# Altium PCB PCB1.PcbDoc (part 3 of 15)
Units mm, origin at the board's own origin, x right, y up, seen from the top; angles counter-clockwise.
Board outline 77.21 x 58.7 mm, 2 copper layers (Top Layer, Bottom Layer); 194 components, 134 nets, 25878 pads, 596 vias.
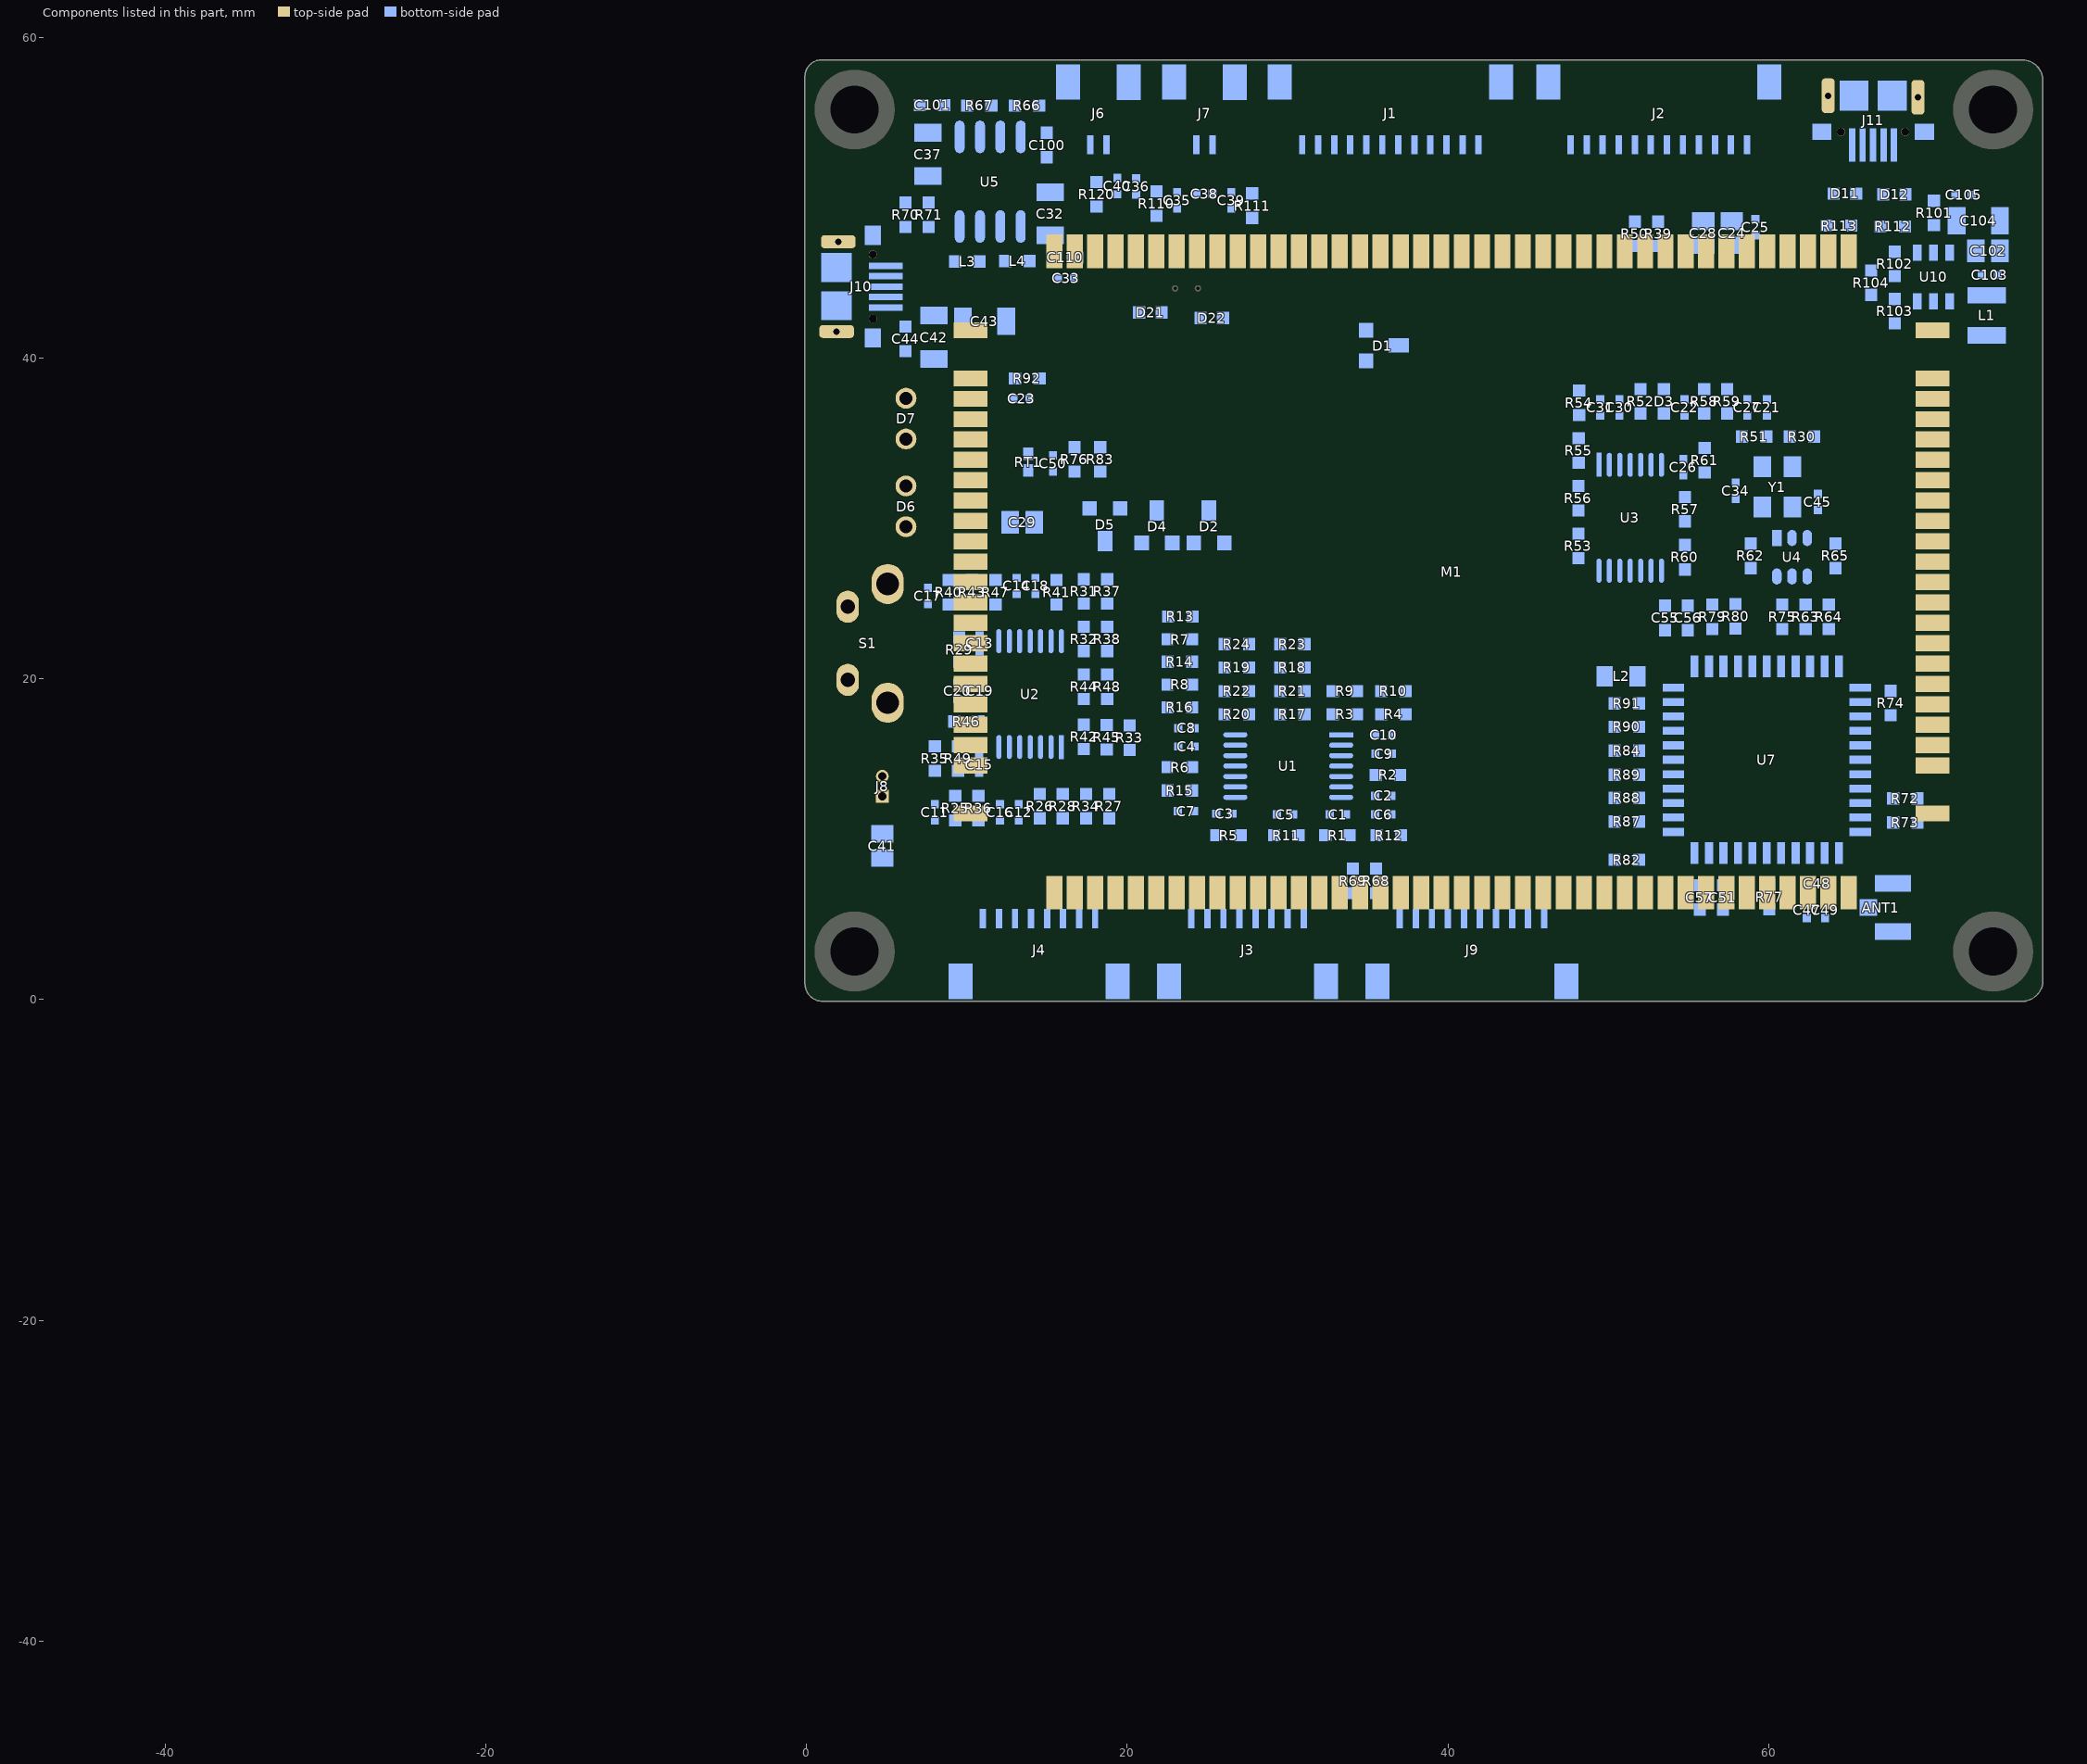
[diagram p3: the components of this part, seen from the top]

## Free pads (board coordinates) (continued)
  round 0 on Mech8: 1(-45.269,-44) 1(-45.269,-44) 1(-45.269,-44) 1(-45.269,-44) 1(-45.269,-44) 1(-45.269,-44) 1(-45.269,-44.015) 1(-45.269,-44.015) 1(-45.269,-44.015) 1(-45.269,-44.015) 1(-45.269,-44.015) 1(-45.269,-44.015) 1(-45.269,-44.014) 1(-45.269,-44.014) 1(-45.269,-44.014) 1(-45.269,-44.014) 1(-45.269,-44.014) 1(-45.269,-44.014) 1(-45.269,-44.014) 1(-45.269,-44.014) 1(-45.269,-44.014) 1(-45.269,-44.014) 1(-45.269,-44.014) 1(-45.269,-44.014) 1(-45.269,-44.013) 1(-45.269,-44.013) 1(-45.269,-44.013) 1(-45.269,-44.013) 1(-45.269,-44.013) 1(-45.269,-44.013) 1(-45.269,-44.013) 1(-45.269,-44.013) 1(-45.269,-44.013) 1(-45.269,-44.013) 1(-45.269,-44.013) 1(-45.269,-44.013) 1(-45.269,-43.997) 1(-45.269,-43.997) 1(-45.269,-43.997) 1(-45.268,-43.997) 1(-45.268,-43.997) 1(-45.268,-43.997) 1(-45.268,-44.008) 1(-45.268,-44.008) 1(-45.268,-44.008) 1(-45.268,-44.008) 1(-45.268,-44.008) 1(-45.268,-44.008) 1(-45.268,-44.007) 1(-45.268,-44.007) 1(-45.268,-44.007) 1(-45.268,-44.007) 1(-45.268,-44.007) 1(-45.268,-44.007) 1(-45.268,-44.006) 1(-45.268,-44.006) 1(-45.268,-44.006) 1(-45.268,-44.006) 1(-45.268,-44.006) 1(-45.268,-44.006) 1(-45.268,-44.005) 1(-45.268,-44.005) 1(-45.268,-44.005) 1(-45.268,-44.005) 1(-45.268,-44.005) 1(-45.268,-44.005) 1(-45.268,-44.005) 1(-45.268,-44.005) 1(-45.268,-44.005) 1(-45.268,-44.005) 1(-45.268,-44.005) 1(-45.268,-44.005) 1(-45.268,-44.004) 1(-45.268,-44.004) 1(-45.268,-44.004) 1(-45.268,-44.004) 1(-45.268,-44.004) 1(-45.268,-44.004) 1(-45.268,-44.003) 1(-45.268,-44.003) 1(-45.268,-44.003) 1(-45.268,-44.003) 1(-45.268,-44.003) 1(-45.268,-44.003) 1(-45.268,-44.002) 1(-45.268,-44.002) 1(-45.268,-44.002) 1(-45.268,-44.002) 1(-45.268,-44.002) 1(-45.268,-44.002) 1(-45.268,-43.967) 1(-45.268,-43.967) 1(-45.268,-43.967) 1(-45.268,-43.975) 1(-45.268,-43.975) 1(-45.268,-43.975) 1(-45.268,-43.975) 1(-45.268,-43.975) 1(-45.268,-43.975) 1(-45.268,-43.975) 1(-45.268,-43.975) 1(-45.268,-43.975) 1(-45.268,-43.975) 1(-45.268,-43.975) 1(-45.268,-43.975) 1(-45.268,-43.974) 1(-45.268,-43.974) 1(-45.268,-43.974) 1(-45.268,-43.974) 1(-45.268,-43.974) 1(-45.268,-43.974) 1(-45.268,-43.971) 1(-45.268,-43.971) 1(-45.268,-43.971) 1(-45.268,-44.015) 1(-45.268,-44.015) 1(-45.268,-44.015) 1(-45.268,-44.014) 1(-45.268,-44.014) 1(-45.268,-44.014) 1(-45.268,-43.994) 1(-45.268,-43.994) 1(-45.268,-43.994) 1(-45.267,-43.976) 1(-45.267,-43.976) 1(-45.267,-43.976) 1(-45.267,-43.976) 1(-45.267,-43.976) 1(-45.267,-43.976) 1(-45.267,-44.008) 1(-45.267,-44.008) 1(-45.267,-44.008) 1(-45.267,-44.007) 1(-45.267,-44.007) 1(-45.267,-44.007) 1(-45.267,-44.006) 1(-45.267,-44.006) 1(-45.267,-44.006) 1(-45.267,-44.005) 1(-45.267,-44.005) 1(-45.267,-44.005) 1(-45.267,-44.005) 1(-45.267,-44.005) 1(-45.267,-44.005) 1(-45.267,-44.004) 1(-45.267,-44.004) 1(-45.267,-44.004) 1(-45.267,-44.003) 1(-45.267,-44.003) 1(-45.267,-44.003) 1(-45.267,-44.002) 1(-45.267,-44.002) 1(-45.267,-44.002) 1(-45.267,-43.983) 1(-45.267,-43.983) 1(-45.267,-43.983) 1(-45.267,-43.983) 1(-45.267,-43.983) 1(-45.267,-43.983) 1(-45.267,-43.983) 1(-45.267,-43.983) 1(-45.267,-43.983) 1(-45.267,-43.982) 1(-45.267,-43.982) 1(-45.267,-43.982) 1(-45.267,-43.982) 1(-45.267,-43.982) 1(-45.267,-43.982) 1(-45.267,-43.982) 1(-45.267,-43.982) 1(-45.267,-43.982) 1(-45.267,-43.995) 1(-45.267,-43.995) 1(-45.267,-43.995) 1(-45.267,-43.994) 1(-45.267,-43.994) 1(-45.267,-43.994) 1(-45.267,-43.994) 1(-45.267,-43.994) 1(-45.267,-43.994) 1(-45.267,-43.976) 1(-45.267,-43.976) 1(-45.267,-43.976) 1(-45.267,-43.976) 1(-45.267,-43.976) 1(-45.267,-43.976) 1(-45.267,-44.015) 1(-45.267,-44.015) 1(-45.267,-44.015) 1(-45.267,-44.014) 1(-45.267,-44.014) 1(-45.267,-44.014) 1(-45.267,-43.976) 1(-45.267,-43.976) 1(-45.267,-43.976) 1(-45.267,-43.976) 1(-45.267,-43.976) 1(-45.267,-43.976) 1(-45.267,-43.983) 1(-45.267,-43.983) 1(-45.267,-43.983) 1(-45.267,-43.983) 1(-45.267,-43.983) 1(-45.267,-43.983) 1(-45.267,-43.982) 1(-45.267,-43.982) 1(-45.267,-43.982) 1(-45.267,-43.982) 1(-45.267,-43.982) 1(-45.267,-43.982) 1(-45.267,-43.971) 1(-45.267,-43.971) 1(-45.267,-43.971) 1(-45.267,-43.971) 1(-45.267,-43.971) 1(-45.267,-43.971) 1(-45.267,-43.969) 1(-45.267,-43.969) 1(-45.267,-43.969) 1(-45.267,-43.977) 1(-45.267,-43.977) 1(-45.267,-43.977) 1(-45.267,-43.977) 1(-45.267,-43.977) 1(-45.267,-43.977) 1(-45.267,-43.976) 1(-45.267,-43.976) 1(-45.267,-43.976) 1(-45.267,-43.975) 1(-45.267,-43.975) 1(-45.267,-43.975) 1(-45.267,-43.974) 1(-45.267,-43.974) 1(-45.267,-43.974) 1(-45.267,-43.974) 1(-45.267,-43.974) 1(-45.267,-43.974) 1(-45.266,-44.008) 1(-45.266,-44.008) 1(-45.266,-44.008) 1(-45.266,-44.007) 1(-45.266,-44.007) 1(-45.266,-44.007) 1(-45.266,-44.006) 1(-45.266,-44.006) 1(-45.266,-44.006) 1(-45.266,-44.005) 1(-45.266,-44.005) 1(-45.266,-44.005) 1(-45.266,-44.005) 1(-45.266,-44.005) 1(-45.266,-44.005) 1(-45.266,-44.004) 1(-45.266,-44.004) 1(-45.266,-44.004) 1(-45.266,-44.003) 1(-45.266,-44.003) 1(-45.266,-44.003) 1(-45.266,-44.002) 1(-45.266,-44.002) 1(-45.266,-44.002) 1(-45.266,-44.015) 1(-45.266,-44.015) 1(-45.266,-44.015) 1(-45.266,-44.015) 1(-45.266,-44.015) 1(-45.266,-44.015) 1(-45.266,-44.014) 1(-45.266,-44.014) 1(-45.266,-44.014) 1(-45.266,-44.014) 1(-45.266,-44.014) 1(-45.266,-44.014) 1(-45.265,-44.008) 1(-45.265,-44.008) 1(-45.265,-44.008) 1(-45.265,-44.008) 1(-45.265,-44.008) 1(-45.265,-44.008) 1(-45.265,-44.007) 1(-45.265,-44.007) 1(-45.265,-44.007) 1(-45.265,-44.007) 1(-45.265,-44.007) 1(-45.265,-44.007) 1(-45.265,-44.006) 1(-45.265,-44.006) 1(-45.265,-44.006) 1(-45.265,-44.006) 1(-45.265,-44.006) 1(-45.265,-44.006) 1(-45.265,-44.005) 1(-45.265,-44.005) 1(-45.265,-44.005) 1(-45.265,-44.005) 1(-45.265,-44.005) 1(-45.265,-44.005) 1(-45.265,-44.005) 1(-45.265,-44.005) 1(-45.265,-44.005) 1(-45.265,-44.005) 1(-45.265,-44.005) 1(-45.265,-44.005) 1(-45.265,-44.004) 1(-45.265,-44.004) 1(-45.265,-44.004) 1(-45.265,-44.004) 1(-45.265,-44.004) 1(-45.265,-44.004) 1(-45.265,-44.003) 1(-45.265,-44.003) 1(-45.265,-44.003) 1(-45.265,-44.003) 1(-45.265,-44.003) 1(-45.265,-44.003) 1(-45.265,-44.002) 1(-45.265,-44.002) 1(-45.265,-44.002) 1(-45.265,-44.002) 1(-45.265,-44.002) 1(-45.265,-44.002) 1(-45.265,-44.013) 1(-45.265,-44.013) 1(-45.265,-44.013) 1(-45.265,-44.013) 1(-45.265,-44.013) 1(-45.265,-44.013) 1(-45.265,-44.008) 1(-45.265,-44.008) 1(-45.265,-44.008) 1(-45.265,-44.008) 1(-45.265,-44.008) 1(-45.265,-44.008) 1(-45.265,-43.977) 1(-45.265,-43.977) 1(-45.265,-43.977) 1(-45.265,-43.977) 1(-45.265,-43.977) 1(-45.265,-43.977) 1(-45.265,-43.976) 1(-45.265,-43.976) 1(-45.265,-43.976) 1(-45.265,-43.975) 1(-45.265,-43.975) 1(-45.265,-43.975) 1(-45.265,-43.974) 1(-45.265,-43.974) 1(-45.265,-43.974) 1(-45.265,-43.974) 1(-45.265,-43.974) 1(-45.265,-43.974) 1(-45.265,-44.015) 1(-45.265,-44.015) 1(-45.265,-44.015) 1(-45.265,-44.015) 1(-45.265,-44.015) 1(-45.265,-44.015) 1(-45.265,-44.014) 1(-45.265,-44.014) 1(-45.265,-44.014) 1(-45.265,-44.014) 1(-45.265,-44.014) 1(-45.265,-44.014) 1(-45.265,-44.014) 1(-45.265,-44.014) 1(-45.265,-44.014) 1(-45.265,-44.014) 1(-45.265,-44.014) 1(-45.265,-44.014) 1(-45.265,-44.014) 1(-45.265,-44.014) 1(-45.265,-44.014) 1(-45.265,-44.014) 1(-45.265,-44.014) 1(-45.265,-44.014) 1(-45.265,-44.013) 1(-45.265,-44.013) 1(-45.265,-44.013) 1(-45.265,-44.013) 1(-45.265,-44.013) 1(-45.265,-44.013) 1(-45.265,-44.008) 1(-45.265,-44.008) 1(-45.265,-44.008) 1(-45.265,-44.008) 1(-45.265,-44.008) 1(-45.265,-44.008) 1(-45.265,-44.008) 1(-45.265,-44.008) 1(-45.265,-44.008) 1(-45.265,-44.008) 1(-45.265,-44.008) 1(-45.265,-44.008) 1(-45.265,-44.007) 1(-45.265,-44.007) 1(-45.265,-44.007) 1(-45.265,-44.007) 1(-45.265,-44.007) 1(-45.265,-44.007) 1(-45.265,-44.007) 1(-45.265,-44.007) 1(-45.265,-44.007) 1(-45.265,-44.007) 1(-45.265,-44.007) 1(-45.265,-44.007) 1(-45.265,-44.006) 1(-45.265,-44.006) 1(-45.265,-44.006) 1(-45.265,-44.006) 1(-45.265,-44.006) 1(-45.265,-44.006) 1(-45.265,-44.005) 1(-45.265,-44.005) 1(-45.265,-44.005) 1(-45.265,-44.005) 1(-45.265,-44.005) 1(-45.265,-44.005) 1(-45.265,-44.005) 1(-45.265,-44.005) 1(-45.265,-44.005) 1(-45.265,-44.005) 1(-45.265,-44.005) 1(-45.265,-44.005) 1(-45.265,-44.004) 1(-45.265,-44.004) 1(-45.265,-44.004) 1(-45.265,-44.004) 1(-45.265,-44.004) 1(-45.265,-44.004) 1(-45.265,-44.004) 1(-45.265,-44.004) 1(-45.265,-44.004) 1(-45.265,-44.004) 1(-45.265,-44.004) 1(-45.265,-44.004) 1(-45.265,-44.003) 1(-45.265,-44.003) 1(-45.265,-44.003) 1(-45.265,-44.003) 1(-45.265,-44.003) 1(-45.265,-44.003) 1(-45.265,-44.002) 1(-45.265,-44.002) 1(-45.265,-44.002) 1(-45.265,-44.002) 1(-45.265,-44.002) 1(-45.265,-44.002) 1(-45.265,-44.004) 1(-45.265,-44.004) 1(-45.265,-44.004) 1(-45.264,-43.971) 1(-45.264,-43.971) 1(-45.264,-43.971) 1(-45.264,-43.971) 1(-45.264,-43.971) 1(-45.264,-43.971) 1(-45.264,-43.97) 1(-45.264,-43.97) 1(-45.264,-43.97) 1(-45.264,-44.015) 1(-45.264,-44.015) 1(-45.264,-44.015) 1(-45.264,-44.014) 1(-45.264,-44.014) 1(-45.264,-44.014) 1(-45.264,-44.008) 1(-45.264,-44.008) 1(-45.264,-44.008) 1(-45.264,-44.008) 1(-45.264,-44.008) 1(-45.264,-44.008) 1(-45.264,-44.008) 1(-45.264,-44.008) 1(-45.264,-44.008) 1(-45.264,-44.007) 1(-45.264,-44.007) 1(-45.264,-44.007) 1(-45.264,-44.006) 1(-45.264,-44.006) 1(-45.264,-44.006) 1(-45.264,-44.005) 1(-45.264,-44.005) 1(-45.264,-44.005) 1(-45.264,-44.005) 1(-45.264,-44.005) 1(-45.264,-44.005) 1(-45.264,-44.004) 1(-45.264,-44.004) 1(-45.264,-44.004) 1(-45.264,-44.003) 1(-45.264,-44.003) 1(-45.264,-44.003) 1(-45.264,-44.002) 1(-45.264,-44.002) 1(-45.264,-44.002) 1(-45.263,-44.015) 1(-45.263,-44.015) 1(-45.263,-44.015) 1(-45.263,-44.014) 1(-45.263,-44.014) 1(-45.263,-44.014) 1(-45.263,-43.971) 1(-45.263,-43.971) 1(-45.263,-43.971) 1(-45.263,-44.008) 1(-45.263,-44.008) 1(-45.263,-44.008) 1(-45.263,-44.008) 1(-45.263,-44.008) 1(-45.263,-44.008) 1(-45.263,-44.008) 1(-45.263,-44.008) 1(-45.263,-44.008) 1(-45.263,-44.007) 1(-45.263,-44.007) 1(-45.263,-44.007) 1(-45.263,-44.006) 1(-45.263,-44.006) 1(-45.263,-44.006) 1(-45.263,-44.005) 1(-45.263,-44.005) 1(-45.263,-44.005) 1(-45.263,-44.005) 1(-45.263,-44.005) 1(-45.263,-44.005) 1(-45.263,-44.004) 1(-45.263,-44.004) 1(-45.263,-44.004) 1(-45.263,-44.003) 1(-45.263,-44.003) 1(-45.263,-44.003) 1(-45.263,-44.002) 1(-45.263,-44.002) 1(-45.263,-44.002) 1(-45.262,-44.015) 1(-45.262,-44.015) 1(-45.262,-44.015) 1(-45.262,-44.015) 1(-45.262,-44.015) 1(-45.262,-44.015) 1(-45.262,-44.014) 1(-45.262,-44.014) 1(-45.262,-44.014) 1(-45.262,-44.014) 1(-45.262,-44.014) 1(-45.262,-44.014) 1(-45.262,-44.008) 1(-45.262,-44.008) 1(-45.262,-44.008) 1(-45.262,-44.008) 1(-45.262,-44.008) 1(-45.262,-44.008) 1(-45.262,-44.02) 1(-45.262,-44.02) 1(-45.262,-44.02) 1(-45.262,-44.008) 1(-45.262,-44.008) 1(-45.262,-44.008) 1(-45.262,-44.008) 1(-45.262,-44.008) 1(-45.262,-44.008) 1(-45.262,-44.008) 1(-45.262,-44.008) 1(-45.262,-44.008) 1(-45.262,-44.008) 1(-45.262,-44.008) 1(-45.262,-44.008) 1(-45.262,-44.007) 1(-45.262,-44.007) 1(-45.262,-44.007) 1(-45.262,-44.007) 1(-45.262,-44.007) 1(-45.262,-44.007) 1(-45.262,-44.006) 1(-45.262,-44.006) 1(-45.262,-44.006) 1(-45.262,-44.006) 1(-45.262,-44.006) 1(-45.262,-44.006) 1(-45.262,-44.005) 1(-45.262,-44.005) 1(-45.262,-44.005) 1(-45.262,-44.005) 1(-45.262,-44.005) 1(-45.262,-44.005) 1(-45.262,-44.005) 1(-45.262,-44.005) 1(-45.262,-44.005) 1(-45.262,-44.005) 1(-45.262,-44.005) 1(-45.262,-44.005) 1(-45.262,-44.004) 1(-45.262,-44.004) 1(-45.262,-44.004) 1(-45.262,-44.004) 1(-45.262,-44.004) 1(-45.262,-44.004) 1(-45.262,-44.004) 1(-45.262,-44.004) 1(-45.262,-44.004) 1(-45.262,-44.003) 1(-45.262,-44.003) 1(-45.262,-44.003) 1(-45.262,-44.003) 1(-45.262,-44.003) 1(-45.262,-44.003) 1(-45.262,-44.002) 1(-45.262,-44.002) 1(-45.262,-44.002) 1(-45.262,-44.002) 1(-45.262,-44.002) 1(-45.262,-44.002) 1(-45.262,-44.015) 1(-45.262,-44.015) 1(-45.262,-44.015) 1(-45.262,-44.015) 1(-45.262,-44.015) 1(-45.262,-44.015) 1(-45.262,-44.014) 1(-45.262,-44.014) 1(-45.262,-44.014) 1(-45.262,-44.014) 1(-45.262,-44.014) 1(-45.262,-44.014) 1(-45.262,-44.004) 1(-45.262,-44.004) 1(-45.262,-44.004) 1(-45.262,-44.013) 1(-45.262,-44.013) 1(-45.262,-44.013) 1(-45.262,-44.013) 1(-45.262,-44.013) 1(-45.262,-44.013) 1(-45.262,-44.008) 1(-45.262,-44.008) 1(-45.262,-44.008) 1(-45.262,-44.008) 1(-45.262,-44.008) 1(-45.262,-44.008) 1(-45.262,-44.004) 1(-45.262,-44.004) 1(-45.262,-44.004) 1(-45.262,-44.004) 1(-45.262,-44.004) 1(-45.262,-44.004) 1(-45.261,-44.008) 1(-45.261,-44.008) 1(-45.261,-44.008) 1(-45.261,-44.008) 1(-45.261,-44.008) 1(-45.261,-44.008) 1(-45.261,-44.007) 1(-45.261,-44.007) 1(-45.261,-44.007) 1(-45.261,-44.007) 1(-45.261,-44.007) 1(-45.261,-44.007) 1(-45.261,-44.006) 1(-45.261,-44.006) 1(-45.261,-44.006) 1(-45.261,-44.006) 1(-45.261,-44.006) 1(-45.261,-44.006) 1(-45.261,-44.005) 1(-45.261,-44.005) 1(-45.261,-44.005) 1(-45.261,-44.005) 1(-45.261,-44.005) 1(-45.261,-44.005) 1(-45.261,-44.022) 1(-45.261,-44.022) 1(-45.261,-44.022) 1(-45.261,-44.02) 1(-45.261,-44.02) 1(-45.261,-44.02) 1(-45.261,-44.02) 1(-45.261,-44.02) 1(-45.261,-44.02) 1(-45.261,-44.015) 1(-45.261,-44.015) 1(-45.261,-44.015) 1(-45.261,-44.014) 1(-45.261,-44.014) 1(-45.261,-44.014) 1(-45.26,-44.008) 1(-45.26,-44.008) 1(-45.26,-44.008) 1(-45.26,-44.007) 1(-45.26,-44.007) 1(-45.26,-44.007) 1(-45.26,-44.006) 1(-45.26,-44.006) 1(-45.26,-44.006) 1(-45.26,-44.005) 1(-45.26,-44.005) 1(-45.26,-44.005) 1(-45.26,-44.019) 1(-45.26,-44.019) 1(-45.26,-44.019) 1(-45.26,-44.019) 1(-45.26,-44.019) 1(-45.26,-44.019) 1(-45.26,-44.018) 1(-45.26,-44.018) 1(-45.26,-44.018) 1(-45.26,-44.017) 1(-45.26,-44.017) 1(-45.26,-44.017) 1(-45.26,-44.016) 1(-45.26,-44.016) 1(-45.26,-44.016) 1(-45.26,-44.016) 1(-45.26,-44.016) 1(-45.26,-44.016) 1(-45.26,-44.015) 1(-45.26,-44.015) 1(-45.26,-44.015) 1(-45.26,-44.014) 1(-45.26,-44.014) 1(-45.26,-44.014) 1(-45.26,-44.004) 1(-45.26,-44.004) 1(-45.26,-44.004) 1(-45.26,-44.004) 1(-45.26,-44.004) 1(-45.26,-44.004) 1(-45.26,-44.002) 1(-45.26,-44.002) 1(-45.26,-44.002) 1(-45.26,-44.002) 1(-45.26,-44.002) 1(-45.26,-44.002) 1(-45.26,-44.008) 1(-45.26,-44.008) 1(-45.26,-44.008) 1(-45.26,-44.007) 1(-45.26,-44.007) 1(-45.26,-44.007) 1(-45.26,-44.006) 1(-45.26,-44.006) 1(-45.26,-44.006) 1(-45.26,-44.005) 1(-45.26,-44.005) 1(-45.26,-44.005) 1(-45.26,-44.014) 1(-45.26,-44.014) 1(-45.26,-44.014) 1(-45.26,-44.014) 1(-45.26,-44.014) 1(-45.26,-44.014) 1(-45.26,-44.013) 1(-45.26,-44.013) 1(-45.26,-44.013) 1(-45.26,-44.013) 1(-45.26,-44.013) 1(-45.26,-44.013) 1(-45.26,-44.013) 1(-45.26,-44.013) 1(-45.26,-44.013) 1(-45.26,-44.013) 1(-45.26,-44.013) 1(-45.26,-44.013) 1(-45.259,-44.015) 1(-45.259,-44.015) 1(-45.259,-44.015) 1(-45.259,-44.015) 1(-45.259,-44.015) 1(-45.259,-44.015) 1(-45.259,-44.014) 1(-45.259,-44.014) 1(-45.259,-44.014) 1(-45.259,-44.014) 1(-45.259,-44.014) 1(-45.259,-44.014) 1(-45.259,-44.019) 1(-45.259,-44.019) 1(-45.259,-44.019) 1(-45.259,-44.019) 1(-45.259,-44.019) 1(-45.259,-44.019) 1(-45.259,-44.018) 1(-45.259,-44.018) 1(-45.259,-44.018) 1(-45.259,-44.017) 1(-45.259,-44.017) 1(-45.259,-44.017) 1(-45.259,-44.016) 1(-45.259,-44.016) 1(-45.259,-44.016) 1(-45.259,-44.016) 1(-45.259,-44.016) 1(-45.259,-44.016) 1(-45.259,-43.984) 1(-45.259,-43.984) 1(-45.259,-43.984) 1(-45.259,-43.984) 1(-45.259,-43.984) 1(-45.259,-43.984) 1(-45.259,-44.012) 1(-45.259,-44.012) 1(-45.259,-44.012) 1(-45.259,-44.012) 1(-45.259,-44.012) 1(-45.259,-44.012) 1(-45.259,-44.01) 1(-45.259,-44.01) 1(-45.259,-44.01) 1(-45.259,-44.01) 1(-45.259,-44.01) 1(-45.259,-44.01) 1(-45.259,-44.019) 1(-45.259,-44.019) 1(-45.259,-44.019) 1(-45.259,-44.019) 1(-45.259,-44.019) 1(-45.259,-44.019) 1(-45.259,-44.018) 1(-45.259,-44.018) 1(-45.259,-44.018) 1(-45.259,-44.017) 1(-45.259,-44.017) 1(-45.259,-44.017) 1(-45.259,-44.016) 1(-45.259,-44.016) 1(-45.259,-44.016) 1(-45.259,-44.016) 1(-45.259,-44.016) 1(-45.259,-44.016) 1(-45.259,-44.015) 1(-45.259,-44.015) 1(-45.259,-44.015) 1(-45.259,-44.015) 1(-45.259,-44.015) 1(-45.259,-44.015) 1(-45.259,-44.014) 1(-45.259,-44.014) 1(-45.259,-44.014) 1(-45.259,-44.014) 1(-45.259,-44.014) 1(-45.259,-44.014) 1(-45.259,-44.012) 1(-45.259,-44.012) 1(-45.259,-44.012) 1(-45.259,-44.012) 1(-45.259,-44.012) 1(-45.259,-44.012) 1(-45.259,-44.012) 1(-45.259,-44.012) 1(-45.259,-44.012) 1(-45.259,-44.012) 1(-45.259,-44.012) 1(-45.259,-44.012) 1(-45.259,-44.012) 1(-45.259,-44.012) 1(-45.259,-44.012) 1(-45.259,-44.012) 1(-45.259,-44.012) 1(-45.259,-44.012) 1(-45.259,-44.01) 1(-45.259,-44.01) 1(-45.259,-44.01) 1(-45.259,-44.01) 1(-45.259,-44.01) 1(-45.259,-44.01) 1(-45.259,-44.01) 1(-45.259,-44.01) 1(-45.259,-44.01) 1(-45.259,-44.01) 1(-45.259,-44.01) 1(-45.259,-44.01) 1(-45.259,-44.009) 1(-45.259,-44.009) 1(-45.259,-44.009) 1(-45.259,-44.009) 1(-45.259,-44.009) 1(-45.259,-44.009) 1(-45.259,-44.008) 1(-45.259,-44.008) 1(-45.259,-44.008) 1(-45.259,-44.008) 1(-45.259,-44.008) 1(-45.259,-44.008) 1(-45.259,-44.007) 1(-45.259,-44.007) 1(-45.259,-44.007) 1(-45.259,-44.007) 1(-45.259,-44.007) 1(-45.259,-44.007) 1(-45.259,-44.006) 1(-45.259,-44.006) 1(-45.259,-44.006) 1(-45.259,-44.006) 1(-45.259,-44.006) 1(-45.259,-44.006) 1(-45.259,-44.005) 1(-45.259,-44.005) 1(-45.259,-44.005) 1(-45.259,-44.005) 1(-45.259,-44.005) 1(-45.259,-44.005) 1(-45.258,-44.008) 1(-45.258,-44.008) 1(-45.258,-44.008) 1(-45.258,-44.008) 1(-45.258,-44.008) 1(-45.258,-44.008) 1(-45.258,-44.007) 1(-45.258,-44.007) 1(-45.258,-44.007) 1(-45.258,-44.007) 1(-45.258,-44.007) 1(-45.258,-44.007) 1(-45.258,-44.006) 1(-45.258,-44.006) 1(-45.258,-44.006) 1(-45.258,-44.006) 1(-45.258,-44.006) 1(-45.258,-44.006) 1(-45.258,-44.005) 1(-45.258,-44.005) 1(-45.258,-44.005) 1(-45.258,-44.005) 1(-45.258,-44.005) 1(-45.258,-44.005) 1(-45.258,-44.022) 1(-45.258,-44.022) 1(-45.258,-44.022) 1(-45.258,-44.02) 1(-45.258,-44.02) 1(-45.258,-44.02) 1(-45.258,-44.02) 1(-45.258,-44.02) 1(-45.258,-44.02) 1(-45.258,-44.012) 1(-45.258,-44.012) 1(-45.258,-44.012) 1(-45.258,-44.01) 1(-45.258,-44.01) 1(-45.258,-44.01) 1(-45.258,-43.986) 1(-45.258,-43.986) 1(-45.258,-43.986) 1(-45.258,-43.983) 1(-45.258,-43.983) 1(-45.258,-43.983) 1(-45.258,-44.015) 1(-45.258,-44.015) 1(-45.258,-44.015) 1(-45.258,-44.014) 1(-45.258,-44.014) 1(-45.258,-44.014) 1(-45.258,-44.019) 1(-45.258,-44.019) 1(-45.258,-44.019) 1(-45.258,-44.019) 1(-45.258,-44.019) 1(-45.258,-44.019) 1(-45.258,-44.018) 1(-45.258,-44.018) 1(-45.258,-44.018) 1(-45.258,-44.017) 1(-45.258,-44.017) 1(-45.258,-44.017) 1(-45.258,-44.016) 1(-45.258,-44.016) 1(-45.258,-44.016) 1(-45.258,-44.016) 1(-45.258,-44.016) 1(-45.258,-44.016) 1(-45.257,-44.008) 1(-45.257,-44.008) 1(-45.257,-44.008) 1(-45.257,-44.007) 1(-45.257,-44.007) 1(-45.257,-44.007) 1(-45.257,-44.006) 1(-45.257,-44.006) 1(-45.257,-44.006) 1(-45.257,-44.005) 1(-45.257,-44.005) 1(-45.257,-44.005) 1(-45.257,-44.02) 1(-45.257,-44.02) 1(-45.257,-44.02) 1(-45.257,-44.012) 1(-45.257,-44.012) 1(-45.257,-44.012) 1(-45.257,-44.01) 1(-45.257,-44.01) 1(-45.257,-44.01) 1(-45.257,-44.015) 1(-45.257,-44.015) 1(-45.257,-44.015) 1(-45.257,-44.014) 1(-45.257,-44.014) 1(-45.257,-44.014) 1(-45.257,-44.008) 1(-45.257,-44.008) 1(-45.257,-44.008) 1(-45.257,-44.007) 1(-45.257,-44.007) 1(-45.257,-44.007) 1(-45.257,-44.006) 1(-45.257,-44.006) 1(-45.257,-44.006) 1(-45.257,-44.005) 1(-45.257,-44.005) 1(-45.257,-44.005) 1(-45.257,-44.014) 1(-45.257,-44.014) 1(-45.257,-44.014) 1(-45.257,-44.014) 1(-45.257,-44.014) 1(-45.257,-44.014) 1(-45.257,-44.013) 1(-45.257,-44.013) 1(-45.257,-44.013) 1(-45.257,-44.013) 1(-45.257,-44.013) 1(-45.257,-44.013) 1(-45.257,-44.013) 1(-45.257,-44.013) 1(-45.257,-44.013) 1(-45.257,-44.013) 1(-45.257,-44.013) 1(-45.257,-44.013) 1(-45.257,-44.009) 1(-45.257,-44.009) 1(-45.257,-44.009) 1(-45.257,-44.009) 1(-45.257,-44.009) 1(-45.257,-44.009) 1(-45.257,-44.008) 1(-45.257,-44.008) 1(-45.257,-44.008) 1(-45.257,-44.008) 1(-45.257,-44.008) 1(-45.257,-44.008) 1(-45.257,-44.008) 1(-45.257,-44.008) 1(-45.257,-44.008) 1(-45.257,-44.008) 1(-45.257,-44.008) 1(-45.257,-44.008) 1(-45.257,-43.986) 1(-45.257,-43.986) 1(-45.257,-43.986) 1(-45.257,-43.986) 1(-45.257,-43.986) 1(-45.257,-43.986) 1(-45.257,-43.985) 1(-45.257,-43.985) 1(-45.257,-43.985) 1(-45.257,-43.983) 1(-45.257,-43.983) 1(-45.257,-43.983) 1(-45.257,-43.983) 1(-45.257,-43.983) 1(-45.257,-43.983) 1(-45.257,-43.983) 